# KiCad board memory.ROMRAM.kicad_pcb
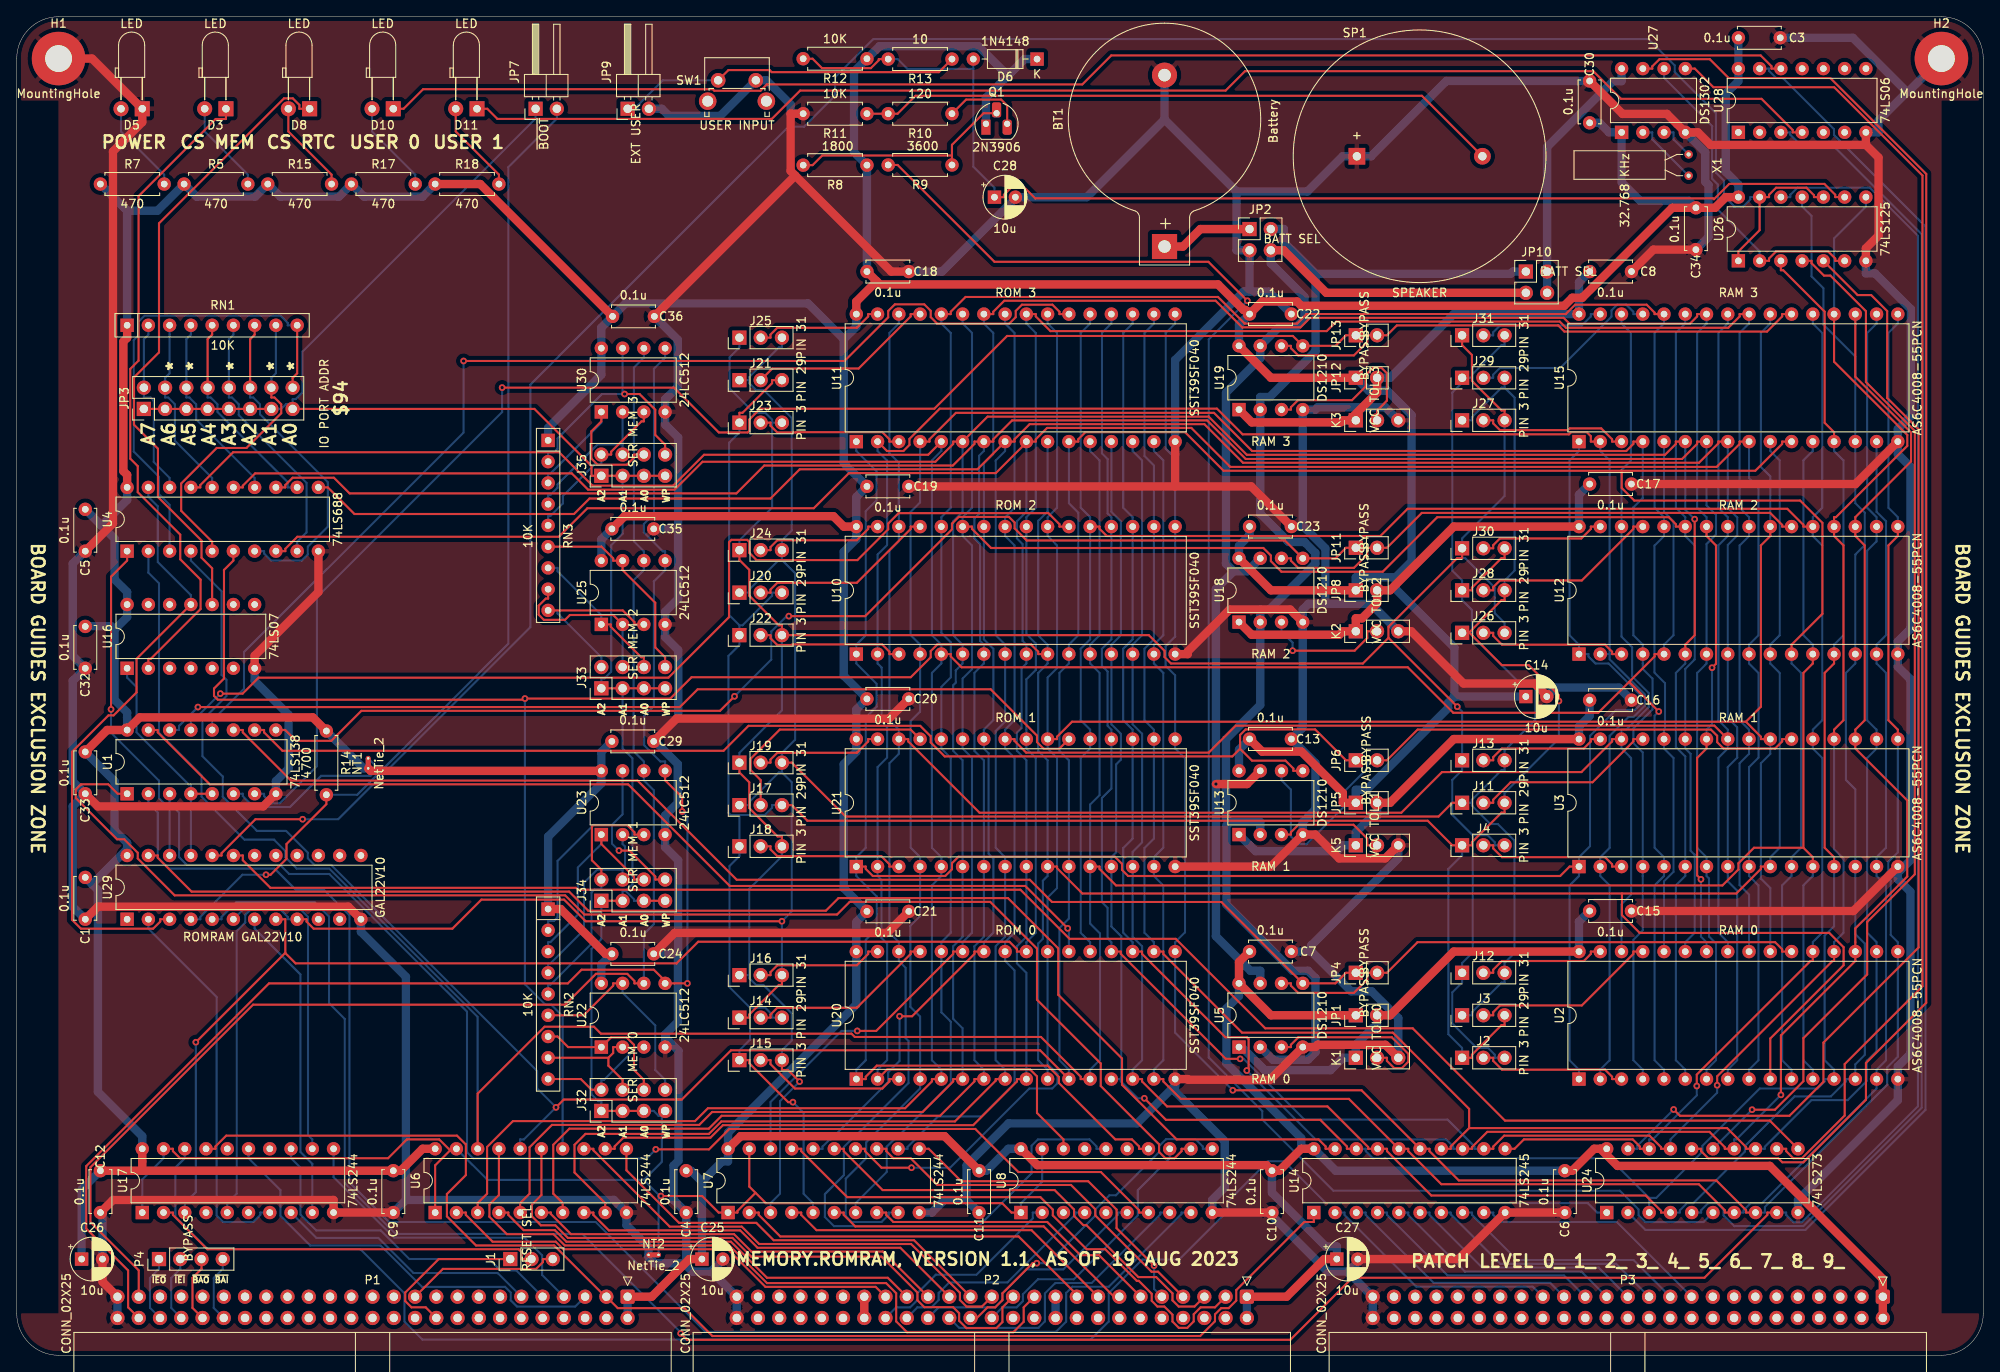
[diagram p0: board, top side]
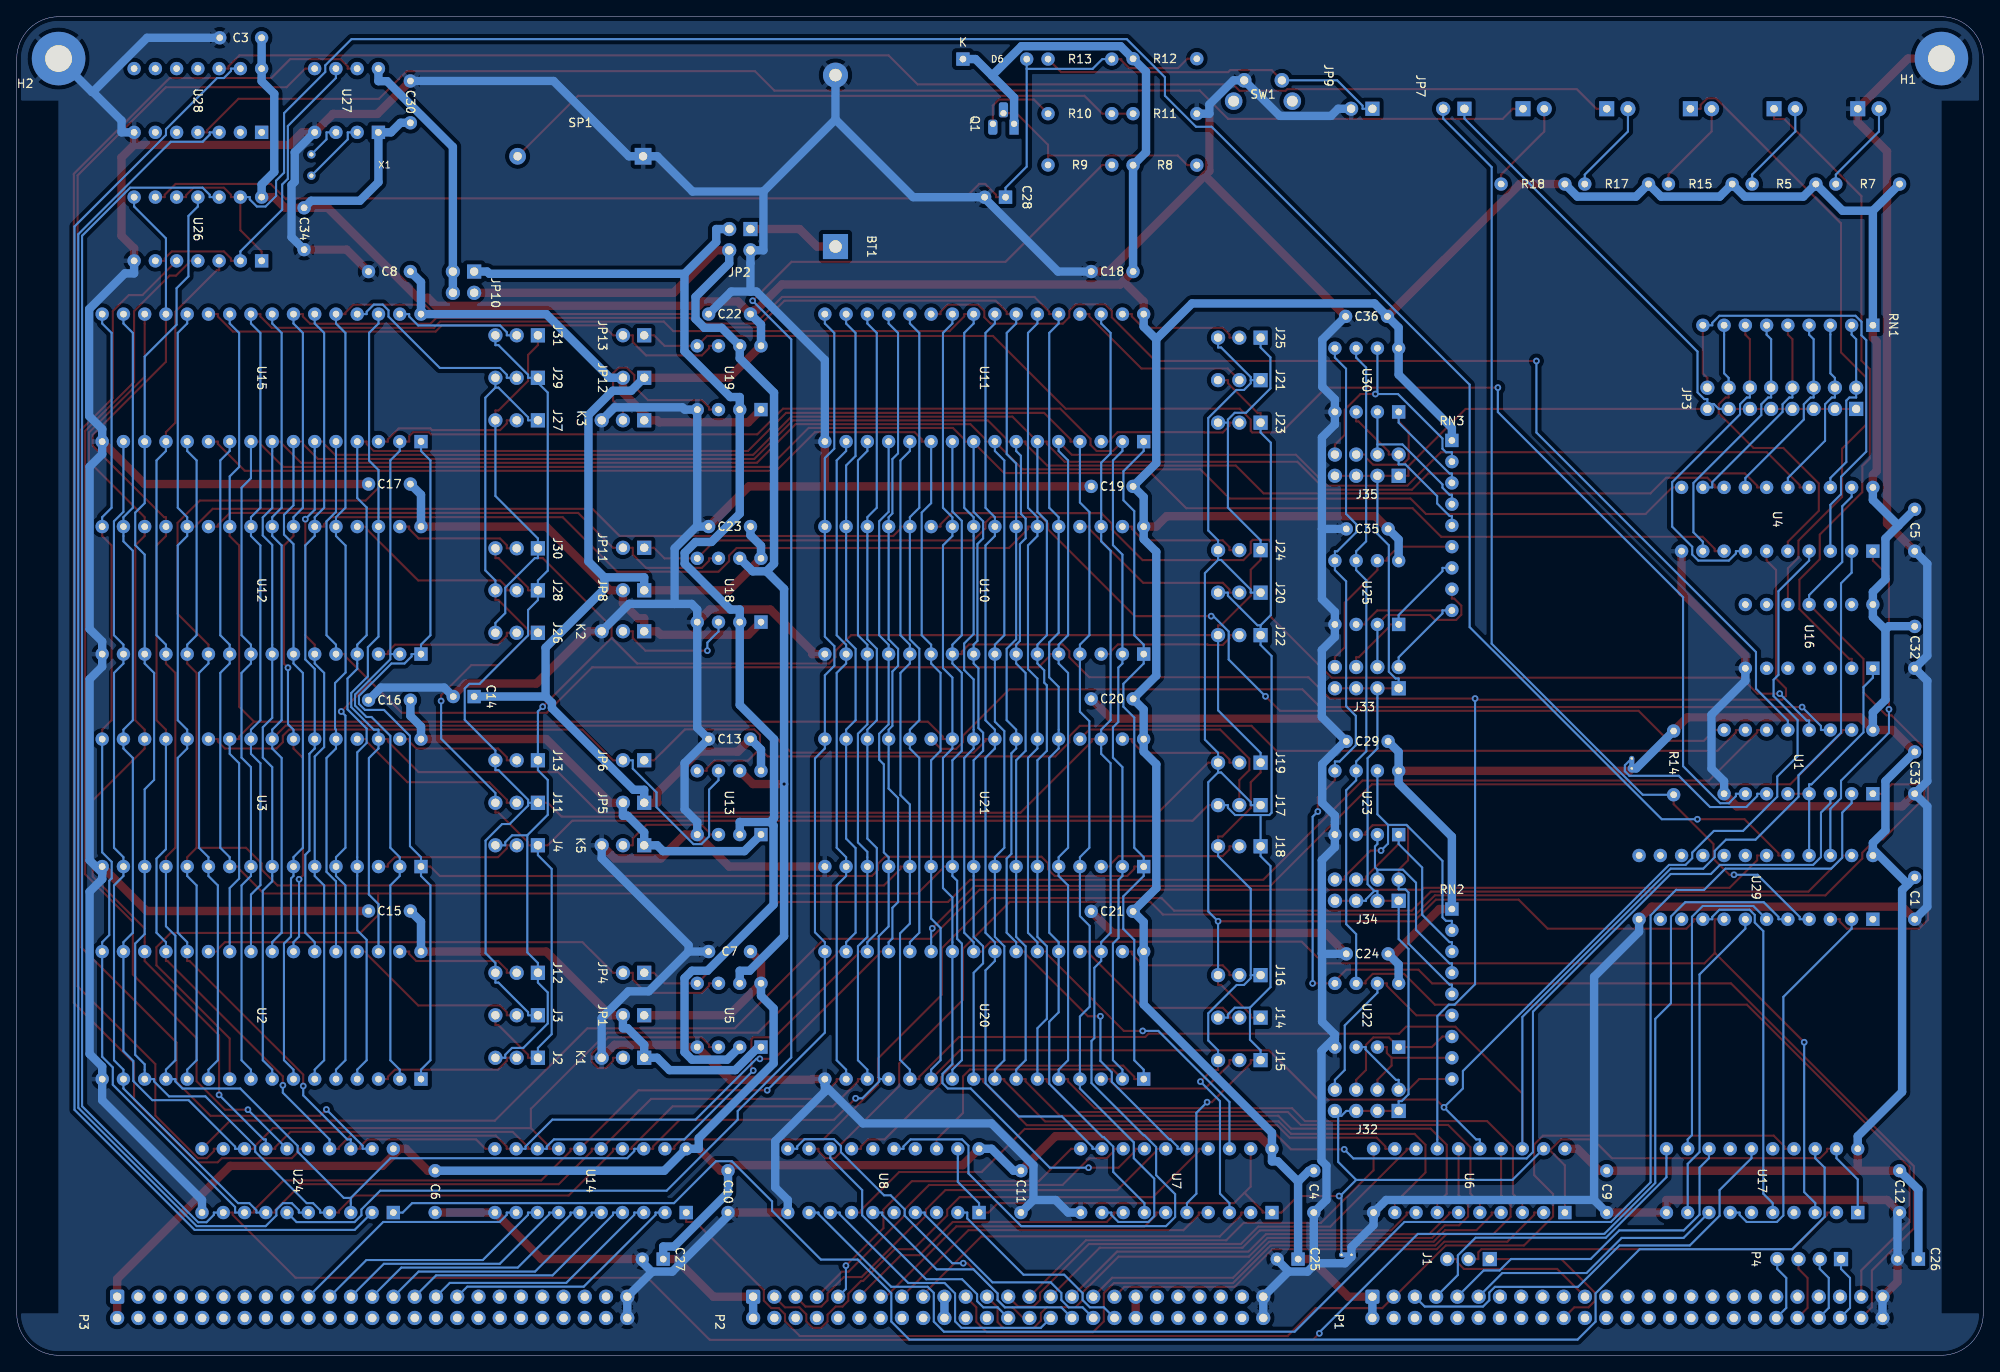
[diagram p1: board, bottom side, seen from below]

Outline 235 x 160 mm; copper layers: Top, Bottom. Coordinates in mm from the lower left corner of the outline.
Outline path: 0,155 0,5 arc(1.46,1.46) 5,0 230,0 arc(233.54,1.46) 235,5 235,155 arc(233.54,158.54) 230,160 5,160 arc(1.46,158.54) 0,155

## Placement (name value [footprint] x y rotation side)
BT1  Battery  [BatteryHolder_Keystone_103_1x20mm]  137.16 132.53 90 top
C1  0.1u  [C_Disc_D5.0mm_W2.5mm_P5.00mm]  8.19 57.12 270 top
C3  0.1u  [C_Disc_D5.0mm_W2.5mm_P5.00mm]  205.74 157.48 0 top
C4  0.1u  [C_Disc_D5.0mm_W2.5mm_P5.00mm]  80 22.06 270 top
C5  0.1u  [C_Disc_D5.0mm_W2.5mm_P5.00mm]  8.19 101.12 270 top
C6  0.1u  [C_Disc_D5.0mm_W2.5mm_P5.00mm]  185 22.06 270 top
C7  0.1u  [C_Disc_D5.0mm_W2.5mm_P5.00mm]  147.32 48.26 0 top
C8  0.1u  [C_Disc_D5.0mm_W2.5mm_P5.00mm]  187.96 129.54 0 top
C9  0.1u  [C_Disc_D5.0mm_W2.5mm_P5.00mm]  45 22.06 270 top
C10  0.1u  [C_Disc_D5.0mm_W2.5mm_P5.00mm]  150 22.06 270 top
C11  0.1u  [C_Disc_D5.0mm_W2.5mm_P5.00mm]  115 22.06 270 top
C12  0.1u  [C_Disc_D5.0mm_W2.5mm_P5.00mm]  10 22.06 270 top
C13  0.1u  [C_Disc_D5.0mm_W2.5mm_P5.00mm]  147.32 73.66 0 top
C14  10u  [CP_Radial_D5.0mm_P2.50mm]  180.34 78.74 0 top
C15  0.1u  [C_Disc_D5.0mm_W2.5mm_P5.00mm]  187.96 53.1 0 top
C16  0.1u  [C_Disc_D5.0mm_W2.5mm_P5.00mm]  187.96 78.31 0 top
C17  0.1u  [C_Disc_D5.0mm_W2.5mm_P5.00mm]  187.96 104.14 0 top
C18  0.1u  [C_Disc_D5.0mm_W2.5mm_P5.00mm]  101.6 129.54 0 top
C19  0.1u  [C_Disc_D5.0mm_W2.5mm_P5.00mm]  101.6 103.86 0 top
C20  0.1u  [C_Disc_D5.0mm_W2.5mm_P5.00mm]  101.6 78.46 0 top
C21  0.1u  [C_Disc_D5.0mm_W2.5mm_P5.00mm]  101.6 53.06 0 top
C22  0.1u  [C_Disc_D5.0mm_W2.5mm_P5.00mm]  147.32 124.46 0 top
C23  0.1u  [C_Disc_D5.0mm_W2.5mm_P5.00mm]  147.32 99.06 0 top
C24  0.1u  [C_Disc_D5.0mm_W2.5mm_P5.00mm]  71.12 47.98 0 top
C25  10u  [CP_Radial_D5.0mm_P2.50mm]  81.88 11.5 0 top
C26  10u  [CP_Radial_D5.0mm_P2.50mm]  7.75 11.5 0 top
C27  10u  [CP_Radial_D5.0mm_P2.50mm]  157.75 11.5 0 top
C28  10u  [CP_Radial_D5.0mm_P2.50mm]  116.84 138.43 0 top
C29  0.1u  [C_Disc_D5.0mm_W2.5mm_P5.00mm]  71.12 73.38 0 top
C30  0.1u  [C_Disc_D5.0mm_W2.5mm_P5.00mm]  187.96 147.32 90 top
C32  0.1u  [C_Disc_D5.0mm_W2.5mm_P5.00mm]  8.19 87.12 270 top
C33  0.1u  [C_Disc_D5.0mm_W2.5mm_P5.00mm]  8.19 72.12 270 top
C34  0.1u  [C_Disc_D5.0mm_W2.5mm_P5.00mm]  200.66 137.16 270 top
C35  0.1u  [C_Disc_D5.0mm_W2.5mm_P5.00mm]  71.12 98.78 0 top
C36  0.1u  [C_Disc_D5.0mm_W2.5mm_P5.00mm]  71.2 124.18 0 top
D3  LED  [LED_D3.0mm_Horizontal_O3.81mm_Z2.0mm]  25 149 180 top
D5  LED  [LED_D3.0mm_Horizontal_O3.81mm_Z2.0mm]  15 149 180 top
D6  1N4148  [D_DO-35_SOD27_P7.62mm_Horizontal]  121.93 154.94 180 top
D8  LED  [LED_D3.0mm_Horizontal_O3.81mm_Z2.0mm]  35 149 180 top
D10  LED  [LED_D3.0mm_Horizontal_O3.81mm_Z2.0mm]  45 149 180 top
D11  LED  [LED_D3.0mm_Horizontal_O3.81mm_Z2.0mm]  55 149 180 top
H1  MountingHole  [MountingHole_3.2mm_M3_Pad]  5 155 0 top
H2  MountingHole  [MountingHole_3.2mm_M3_Pad]  230 155 0 top
J1  RESET SEL  [PinHeader_1x03_P2.54mm_Vertical]  58.97 11.5 90 top
J2  PIN 3  [PinHeader_1x03_P2.54mm_Vertical]  172.72 35.56 90 top
J3  PIN 29  [PinHeader_1x03_P2.54mm_Vertical]  172.72 40.64 90 top
J4  PIN 3  [PinHeader_1x03_P2.54mm_Vertical]  172.72 60.96 90 top
J11  PIN 29  [PinHeader_1x03_P2.54mm_Vertical]  172.72 66.04 90 top
J12  PIN 31  [PinHeader_1x03_P2.54mm_Vertical]  172.72 45.72 90 top
J13  PIN 31  [PinHeader_1x03_P2.54mm_Vertical]  172.72 71.12 90 top
J14  PIN 29  [PinHeader_1x03_P2.54mm_Vertical]  86.36 40.36 90 top
J15  PIN 3  [PinHeader_1x03_P2.54mm_Vertical]  86.36 35.28 90 top
J16  PIN 31  [PinHeader_1x03_P2.54mm_Vertical]  86.36 45.44 90 top
J17  PIN 29  [PinHeader_1x03_P2.54mm_Vertical]  86.36 65.76 90 top
J18  PIN 3  [PinHeader_1x03_P2.54mm_Vertical]  86.36 60.84 90 top
J19  PIN 31  [PinHeader_1x03_P2.54mm_Vertical]  86.36 70.84 90 top
J20  PIN 29  [PinHeader_1x03_P2.54mm_Vertical]  86.36 91.16 90 top
J21  PIN 29  [PinHeader_1x03_P2.54mm_Vertical]  86.36 116.56 90 top
J22  PIN 3  [PinHeader_1x03_P2.54mm_Vertical]  86.36 86.08 90 top
J23  PIN 3  [PinHeader_1x03_P2.54mm_Vertical]  86.36 111.48 90 top
J24  PIN 31  [PinHeader_1x03_P2.54mm_Vertical]  86.36 96.24 90 top
J25  PIN 31  [PinHeader_1x03_P2.54mm_Vertical]  86.36 121.64 90 top
J26  PIN 3  [PinHeader_1x03_P2.54mm_Vertical]  172.72 86.36 90 top
J27  PIN 3  [PinHeader_1x03_P2.54mm_Vertical]  172.72 111.76 90 top
J28  PIN 29  [PinHeader_1x03_P2.54mm_Vertical]  172.72 91.44 90 top
J29  PIN 29  [PinHeader_1x03_P2.54mm_Vertical]  172.72 116.84 90 top
J30  PIN 31  [PinHeader_1x03_P2.54mm_Vertical]  172.72 96.46 90 top
J31  PIN 31  [PinHeader_1x03_P2.54mm_Vertical]  172.72 121.92 90 top
J32  SER MEM 0  [PinHeader_2x04_P2.54mm_Vertical]  69.86 29.21 90 top
J33  SER MEM 2  [PinHeader_2x04_P2.54mm_Vertical]  69.86 79.72 90 top
J34  SER MEM 1  [PinHeader_2x04_P2.54mm_Vertical]  69.86 54.32 90 top
J35  SER MEM 3  [PinHeader_2x04_P2.54mm_Vertical]  69.86 105.12 90 top
JP1  BYPASS  [PinHeader_1x02_P2.54mm_Vertical]  160.02 40.64 90 top
JP2  BATT SEL  [PinHeader_2x02_P2.54mm_Vertical]  147.32 134.62 0 top
JP3  IO PORT ADDR  [PinHeader_2x08_P2.54mm_Vertical]  15.19 113.12 90 top
JP4  BYPASS  [PinHeader_1x02_P2.54mm_Vertical]  160.02 45.72 90 top
JP5  BYPASS  [PinHeader_1x02_P2.54mm_Vertical]  160.02 66.04 90 top
JP6  BYPASS  [PinHeader_1x02_P2.54mm_Vertical]  160.02 71.12 90 top
JP7  ~{BOOT}  [PinHeader_1x02_P2.54mm_Horizontal]  62 149 90 top
JP8  BYPASS  [PinHeader_1x02_P2.54mm_Vertical]  160.02 91.44 90 top
JP9  EXT USER  [PinHeader_1x02_P2.54mm_Horizontal]  73 149 90 top
JP10  BATT SEL  [PinHeader_2x02_P2.54mm_Vertical]  180.34 129.54 0 top
JP11  BYPASS  [PinHeader_1x02_P2.54mm_Vertical]  160.02 96.52 90 top
JP12  BYPASS  [PinHeader_1x02_P2.54mm_Vertical]  160.02 116.84 90 top
JP13  BYPASS  [PinHeader_1x02_P2.54mm_Vertical]  160.02 121.92 90 top
K1  VCC TOL 0  [PinHeader_1x03_P2.54mm_Vertical]  160.02 35.56 90 top
K2  VCC TOL 2  [PinHeader_1x03_P2.54mm_Vertical]  160.02 86.54 90 top
K3  VCC TOL 3  [PinHeader_1x03_P2.54mm_Vertical]  160.02 111.76 90 top
K5  VCC TOL 1  [PinHeader_1x03_P2.54mm_Vertical]  160.02 60.96 90 top
NT1  NetTie_2  [NetTie-2_THT_Pad0.3mm]  42 70.15 90 top
NT2  NetTie_2  [NetTie-2_THT_Pad0.3mm]  75.5 12 0 top
P1  CONN_02X25  [IDC-Header_2x25_P2.54mm_Horizontal]  73 7 270 top
P2  CONN_02X25  [IDC-Header_2x25_P2.54mm_Horizontal]  147 7 270 top
P3  CONN_02X25  [IDC-Header_2x25_P2.54mm_Horizontal]  223 7 270 top
P4  BYPASS  [PinHeader_1x04_P2.54mm_Vertical]  17 11.5 90 top
Q1  2N3906  [TO-92_HandSolder]  115.82 147.2 0 top
R5  470  [R_Axial_DIN0207_L6.3mm_D2.5mm_P7.62mm_Horizontal]  20 140 0 top
R7  470  [R_Axial_DIN0207_L6.3mm_D2.5mm_P7.62mm_Horizontal]  10 140 0 top
R8  1800  [R_Axial_DIN0207_L6.3mm_D2.5mm_P7.62mm_Horizontal]  101.6 142.26 180 top
R9  3600  [R_Axial_DIN0207_L6.3mm_D2.5mm_P7.62mm_Horizontal]  111.76 142.28 180 top
R10  120  [R_Axial_DIN0207_L6.3mm_D2.5mm_P7.62mm_Horizontal]  111.76 148.41 180 top
R11  10K  [R_Axial_DIN0207_L6.3mm_D2.5mm_P7.62mm_Horizontal]  101.6 148.41 180 top
R12  10K  [R_Axial_DIN0207_L6.3mm_D2.5mm_P7.62mm_Horizontal]  101.6 154.98 180 top
R13  10  [R_Axial_DIN0207_L6.3mm_D2.5mm_P7.62mm_Horizontal]  111.76 154.94 180 top
R14  4700  [R_Axial_DIN0207_L6.3mm_D2.5mm_P7.62mm_Horizontal]  37 74.62 270 top
R15  470  [R_Axial_DIN0207_L6.3mm_D2.5mm_P7.62mm_Horizontal]  30 140 0 top
R17  470  [R_Axial_DIN0207_L6.3mm_D2.5mm_P7.62mm_Horizontal]  40 140 0 top
R18  470  [R_Axial_DIN0207_L6.3mm_D2.5mm_P7.62mm_Horizontal]  50 140 0 top
RN1  10K  [R_Array_SIP9]  13.19 123.12 0 top
RN2  10K  [R_Array_SIP9]  63.5 53.34 270 top
RN3  10K  [R_Array_SIP9]  63.5 109.36 270 top
SP1  SPEAKER  [Jameco PCB Speaker 30mm 135722]  163.84 143.32 0 top
SW1  USER INPUT  [SW_Tactile_SPST_Angled_PTS645Vx58-2LFS]  83.82 152.4 0 top
U1  74LS138  [DIP-16_W7.62mm]  13.19 67.12 90 top
U2  AS6C4008-55PCN  [DIP-32_W15.24mm]  186.69 33.01 90 top
U3  AS6C4008-55PCN  [DIP-32_W15.24mm]  186.69 58.41 90 top
U4  74LS688  [DIP-20_W7.62mm]  13.19 96.12 90 top
U5  DS1210  [DIP-8_W7.62mm]  146.06 36.84 90 top
U6  74LS244  [DIP-20_W7.62mm]  50 17.06 90 top
U7  74LS244  [DIP-20_W7.62mm]  85 17.06 90 top
U8  74LS244  [DIP-20_W7.62mm]  120 17.06 90 top
U10  SST39SF040  [DIP-32_W15.24mm]  100.33 83.81 90 top
U11  SST39SF040  [DIP-32_W15.24mm]  100.33 109.22 90 top
U12  AS6C4008-55PCN  [DIP-32_W15.24mm]  186.69 83.81 90 top
U13  DS1210  [DIP-8_W7.62mm]  146.06 62.24 90 top
U14  74LS245  [DIP-20_W7.62mm]  155 17.06 90 top
U15  AS6C4008-55PCN  [DIP-32_W15.24mm]  186.69 109.22 90 top
U16  74LS07  [DIP-14_W7.62mm]  13.19 82.12 90 top
U17  74LS244  [DIP-20_W7.62mm]  15 17.06 90 top
U18  DS1210  [DIP-8_W7.62mm]  146.06 87.64 90 top
U19  DS1210  [DIP-8_W7.62mm]  146.06 113.04 90 top
U20  SST39SF040  [DIP-32_W15.24mm]  100.33 33.01 90 top
U21  SST39SF040  [DIP-32_W15.24mm]  100.33 58.41 90 top
U22  24LC512  [DIP-8_W7.62mm]  69.86 36.84 90 top
U23  24LC512  [DIP-8_W7.62mm]  69.86 62.24 90 top
U24  74LS273  [DIP-20_W7.62mm]  190 17.06 90 top
U25  24LC512  [DIP-8_W7.62mm]  69.86 87.36 90 top
U26  74LS125  [DIP-14_W7.62mm]  205.74 130.82 90 top
U27  DS1302  [DIP-8_W7.62mm]  191.78 146.18 90 top
U28  74LS06  [DIP-14_W7.62mm]  205.74 146.18 90 top
U29  GAL22V10  [DIP-24_W7.62mm]  13.19 52.12 90 top
U30  24LC512  [DIP-8_W7.62mm]  69.86 112.76 90 top
X1  32.768 KHz  [Crystal_AT310_D3.0mm_L10.0mm_Horizontal]  199.79 143.54 270 top

## Footprints (pads in the part's own frame, mm; a bottom-side part is the same pattern mirrored in y, then rotated)
BatteryHolder_Keystone_103_1x20mm
  rect 3x3 hole 1.5: 1(0,0)
  round 3 hole 1.5: 2(20.49,0)
C_Disc_D5.0mm_W2.5mm_P5.00mm
  round 1.6 hole 0.8: 1(0,0) 2(5,0)
CP_Radial_D5.0mm_P2.50mm
  rect 1.6x1.6 hole 0.8: 1(0,0)
  round 1.6 hole 0.8: 2(2.5,0)
Crystal_AT310_D3.0mm_L10.0mm_Horizontal
  round 1 hole 0.5: 1(0,0) 2(2.54,0)
D_DO-35_SOD27_P7.62mm_Horizontal
  rect 1.6x1.6 hole 0.8: 1(0,0)
  oval 1.6x1.6 hole 0.8: 2(7.62,0)
DIP-8_W7.62mm
  rect 1.6x1.6 hole 0.8: 1(0,0)
  oval 1.6x1.6 hole 0.8: 2(0,-2.54) 3(0,-5.08) 4(0,-7.62) 5(7.62,-7.62) 6(7.62,-5.08) 7(7.62,-2.54) 8(7.62,0)
DIP-14_W7.62mm
  rect 1.6x1.6 hole 0.8: 1(0,0)
  oval 1.6x1.6 hole 0.8: 2(0,-2.54) 3(0,-5.08) 4(0,-7.62) 5(0,-10.16) 6(0,-12.7) 7(0,-15.24) 8(7.62,-15.24) 9(7.62,-12.7) 10(7.62,-10.16) 11(7.62,-7.62) 12(7.62,-5.08) 13(7.62,-2.54) 14(7.62,0)
DIP-16_W7.62mm
  rect 1.6x1.6 hole 0.8: 1(0,0)
  oval 1.6x1.6 hole 0.8: 2(0,-2.54) 3(0,-5.08) 4(0,-7.62) 5(0,-10.16) 6(0,-12.7) 7(0,-15.24) 8(0,-17.78) 9(7.62,-17.78) 10(7.62,-15.24) 11(7.62,-12.7) 12(7.62,-10.16) 13(7.62,-7.62) 14(7.62,-5.08) 15(7.62,-2.54) 16(7.62,0)
DIP-20_W7.62mm
  rect 1.6x1.6 hole 0.8: 1(0,0)
  oval 1.6x1.6 hole 0.8: 2(0,-2.54) 3(0,-5.08) 4(0,-7.62) 5(0,-10.16) 6(0,-12.7) 7(0,-15.24) 8(0,-17.78) 9(0,-20.32) 10(0,-22.86) 11(7.62,-22.86) 12(7.62,-20.32) 13(7.62,-17.78) 14(7.62,-15.24) 15(7.62,-12.7) 16(7.62,-10.16) 17(7.62,-7.62) 18(7.62,-5.08) 19(7.62,-2.54) 20(7.62,0)
DIP-24_W7.62mm
  rect 1.6x1.6 hole 0.8: 1(0,0)
  oval 1.6x1.6 hole 0.8: 2(0,-2.54) 3(0,-5.08) 4(0,-7.62) 5(0,-10.16) 6(0,-12.7) 7(0,-15.24) 8(0,-17.78) 9(0,-20.32) 10(0,-22.86) 11(0,-25.4) 12(0,-27.94) 13(7.62,-27.94) 14(7.62,-25.4) 15(7.62,-22.86) 16(7.62,-20.32) 17(7.62,-17.78) 18(7.62,-15.24) 19(7.62,-12.7) 20(7.62,-10.16) 21(7.62,-7.62) 22(7.62,-5.08) 23(7.62,-2.54) 24(7.62,0)
DIP-32_W15.24mm
  rect 1.6x1.6 hole 0.8: 1(0,0)
  oval 1.6x1.6 hole 0.8: 2(0,-2.54) 3(0,-5.08) 4(0,-7.62) 5(0,-10.16) 6(0,-12.7) 7(0,-15.24) 8(0,-17.78) 9(0,-20.32) 10(0,-22.86) 11(0,-25.4) 12(0,-27.94) 13(0,-30.48) 14(0,-33.02) 15(0,-35.56) 16(0,-38.1) 17(15.24,-38.1) 18(15.24,-35.56) 19(15.24,-33.02) 20(15.24,-30.48) 21(15.24,-27.94) 22(15.24,-25.4) 23(15.24,-22.86) 24(15.24,-20.32) 25(15.24,-17.78) 26(15.24,-15.24) 27(15.24,-12.7) 28(15.24,-10.16) 29(15.24,-7.62) 30(15.24,-5.08) 31(15.24,-2.54) 32(15.24,0)
IDC-Header_2x25_P2.54mm_Horizontal
  rrect 1.7x1.7 hole 1: 1(0,0)
  round 1.7 hole 1: 2(2.54,0) 3(0,-2.54) 4(2.54,-2.54) 5(0,-5.08) 6(2.54,-5.08) 7(0,-7.62) 8(2.54,-7.62) 9(0,-10.16) 10(2.54,-10.16) 11(0,-12.7) 12(2.54,-12.7) 13(0,-15.24) 14(2.54,-15.24) 15(0,-17.78) 16(2.54,-17.78) 17(0,-20.32) 18(2.54,-20.32) 19(0,-22.86) 20(2.54,-22.86) 21(0,-25.4) 22(2.54,-25.4) 23(0,-27.94) 24(2.54,-27.94) 25(0,-30.48) 26(2.54,-30.48) 27(0,-33.02) 28(2.54,-33.02) 29(0,-35.56) 30(2.54,-35.56) 31(0,-38.1) 32(2.54,-38.1) 33(0,-40.64) 34(2.54,-40.64) 35(0,-43.18) 36(2.54,-43.18) 37(0,-45.72) 38(2.54,-45.72) 39(0,-48.26) 40(2.54,-48.26) 41(0,-50.8) 42(2.54,-50.8) 43(0,-53.34) 44(2.54,-53.34) 45(0,-55.88) 46(2.54,-55.88) 47(0,-58.42) 48(2.54,-58.42) 49(0,-60.96) 50(2.54,-60.96)
Jameco PCB Speaker 30mm 135722
  rect 2x2 hole 1: 1(-3.69,0)
  round 2 hole 1: 2(11.31,0)
LED_D3.0mm_Horizontal_O3.81mm_Z2.0mm
  rect 1.8x1.8 hole 0.9: 1(0,0)
  round 1.8 hole 0.9: 2(2.54,0)
MountingHole_3.2mm_M3_Pad
  round 6.4 hole 3.2: 1(0,0)
NetTie-2_THT_Pad0.3mm
  round 0.6 hole 0.3: 1(0,0) 2(1.2,0)
PinHeader_1x02_P2.54mm_Horizontal
  rect 1.7x1.7 hole 1: 1(0,0)
  oval 1.7x1.7 hole 1: 2(0,-2.54)
PinHeader_1x02_P2.54mm_Vertical
  rect 1.7x1.7 hole 1: 1(0,0)
  oval 1.7x1.7 hole 1: 2(0,-2.54)
PinHeader_1x03_P2.54mm_Vertical
  rect 1.7x1.7 hole 1: 1(0,0)
  oval 1.7x1.7 hole 1: 2(0,-2.54) 3(0,-5.08)
PinHeader_1x04_P2.54mm_Vertical
  rect 1.7x1.7 hole 1: 1(0,0)
  oval 1.7x1.7 hole 1: 2(0,-2.54) 3(0,-5.08) 4(0,-7.62)
PinHeader_2x02_P2.54mm_Vertical
  rect 1.7x1.7 hole 1: 1(0,0)
  oval 1.7x1.7 hole 1: 2(2.54,0) 3(0,-2.54) 4(2.54,-2.54)
PinHeader_2x04_P2.54mm_Vertical
  rect 1.7x1.7 hole 1: 1(0,0)
  oval 1.7x1.7 hole 1: 2(2.54,0) 3(0,-2.54) 4(2.54,-2.54) 5(0,-5.08) 6(2.54,-5.08) 7(0,-7.62) 8(2.54,-7.62)
PinHeader_2x08_P2.54mm_Vertical
  rect 1.7x1.7 hole 1: 1(0,0)
  oval 1.7x1.7 hole 1: 2(2.54,0) 3(0,-2.54) 4(2.54,-2.54) 5(0,-5.08) 6(2.54,-5.08) 7(0,-7.62) 8(2.54,-7.62) 9(0,-10.16) 10(2.54,-10.16) 11(0,-12.7) 12(2.54,-12.7) 13(0,-15.24) 14(2.54,-15.24) 15(0,-17.78) 16(2.54,-17.78)
R_Array_SIP9
  rect 1.6x1.6 hole 0.8: 1(0,0)
  oval 1.6x1.6 hole 0.8: 2(2.54,0) 3(5.08,0) 4(7.62,0) 5(10.16,0) 6(12.7,0) 7(15.24,0) 8(17.78,0) 9(20.32,0)
R_Axial_DIN0207_L6.3mm_D2.5mm_P7.62mm_Horizontal
  round 1.6 hole 0.8: 1(0,0)
  oval 1.6x1.6 hole 0.8: 2(7.62,0)
SW_Tactile_SPST_Angled_PTS645Vx58-2LFS
  round 2.1 hole 1.3: (-1.25,-2.49) (5.76,-2.49)
  round 1.75 hole 0.99: 1(0,0) 2(4.5,0)
TO-92_HandSolder
  rect 1.1x1.8 hole 0.75: 1(0,0)
  rrect 1.1x1.8 hole 0.75: 2(1.27,1.27) 3(2.54,0)

## Nets
+12V: P2.19 P2.20
-12V: P2.37 P2.38
/battery/V2032: BT1.1 JP2.1
/RTC/VBAT: JP10.2 JP10.4 U27.8
GND: BT1.2 C1.2 C3.2 C4.2 C5.2 C6.2 C7.2 C8.2 C9.2 C10.2 C11.2 C12.2 C13.2 C14.2 C15.2 C16.2 C17.2 C18.2 C19.2 C20.2 C21.2 C22.2 C23.2 C24.2 C25.2 C26.2 C27.2 C28.2 C29.2 C30.2 C32.2 C33.2 C34.2 C35.2 C36.2 D5.1 H1.1 H2.1 JP2.3 JP9.2 K1.3 K2.3 K3.3 K5.3 NT2.1 P1.49 P1.50 P2.49 P2.50 P3.49 P3.50 R11.2 SP1.1 SW1.2 U1.8 U2.16 U3.16 U4.10 U5.4 U6.10 U7.10 U8.10 U10.16 U11.16 U12.16 U13.4 U14.10 U15.16 U16.7 U17.10 U18.4 U19.4 U20.16 U21.16 U22.4 U23.4 U24.10 U25.4 U26.7 U27.4 U28.7 U29.12 U30.4
VBAT1: JP2.2 JP10.1 U5.2 U13.2 U18.2 U19.2
VBAT2: JP2.4 JP10.3 U5.7 U13.7 U18.7 U19.7
VCC: C1.1 C3.1 C4.1 C5.1 C6.1 C7.1 C9.1 C10.1 C11.1 C12.1 C13.1 C14.1 C18.1 C19.1 C20.1 C21.1 C22.1 C23.1 C24.1 C25.1 C26.1 C27.1 C29.1 C30.1 C32.1 C33.1 C34.1 C35.1 C36.1 D6.1 JP1.1 JP5.1 JP8.1 JP12.1 NT1.1 P1.1 P1.2 P2.1 P2.2 P3.1 P3.2 Q1.1 R5.1 R7.1 R8.1 R12.1 R14.1 R15.1 R17.1 R18.1 RN1.1 RN2.1 RN3.1 U1.16 U4.20 U5.8 U6.20 U7.20 U8.20 U10.32 U11.32 U13.8 U14.20 U16.14 U17.20 U18.8 U19.8 U20.32 U21.32 U22.8 U23.8 U24.20 U25.8 U26.14 U27.1 U28.14 U29.24 U30.8
VCC_SRAM0: C15.1 JP1.2 K1.1 U2.32 U5.1
VCC_SRAM1: C16.1 JP5.2 K5.1 U3.32 U13.1
VCC_SRAM2: C17.1 JP8.2 K2.1 U12.32 U18.1
VCC_SRAM3: C8.1 JP12.2 K3.1 U15.32 U19.1
/bus/A22: P2.24
/bus/A23: P2.22
/bus/A24: P2.18
/bus/A25: P2.16
/bus/A26: P2.14
/bus/A27: P2.12
/bus/A28: P2.10
/bus/A29: P2.8
/bus/A30: P2.6
/bus/A31: P2.4
/bus/AUXCLK0: P2.48
/bus/AUXCLK1: P2.47
/bus/AUXCLK2: P3.48
/bus/AUXCLK3: P3.46
/bus/CLK: P1.15
/bus/CRUCLK: P1.14
/bus/CRUIN: P1.18
/bus/CRUOUT: P1.16
/bus/D8: P3.17
/bus/D9: P3.15
/bus/D10: P3.13
/bus/D11: P3.11
/bus/D12: P3.9
/bus/D13: P3.7
/bus/D14: P3.5
/bus/D15: P3.3
/bus/D16: P3.34
/bus/D17: P3.32
/bus/D18: P3.30
/bus/D19: P3.28
/bus/D20: P3.26
/bus/D21: P3.24
/bus/D22: P3.22
/bus/D23: P3.20
/bus/D24: P3.18
/bus/D25: P3.16
/bus/D26: P3.14
/bus/D27: P3.12
/bus/D28: P3.10
/bus/D29: P3.8
/bus/D30: P3.6
/bus/D31: P3.4
/bus/E: P1.4
/bus/IC0: P2.45
/bus/IC1: P2.43
/bus/IC2: P2.41
/bus/IC3: P2.39
/bus/IPL0: P3.47
/bus/IPL1: P3.45
/bus/IPL2: P3.43
/bus/LDS: P3.38
/bus/PHI: P1.8
/bus/S0: P3.44
/bus/S1: P3.42
/bus/S2: P3.40
/bus/ST: P1.6
/bus/UDS: P3.36
/bus/USER0: P1.38
/bus/USER1: P1.36
/bus/USER2: P1.34
/bus/USER3: P1.32
/bus/USER4: P1.30
/bus/USER5: P1.28
/bus/USER6: P1.26
/bus/USER7: P1.24
/bus/USER8: P1.22
/bus/~{BHE}: P3.41
/bus/~{BUSACK}: P1.13
/bus/~{BUSERR}: P3.35
/bus/~{BUSRQ}: P1.23
/bus/~{DREQ0}: P2.46
/bus/~{DREQ1}: P2.42
/bus/~{EIRQ0}: P1.45
/bus/~{EIRQ1}: P1.43
/bus/~{EIRQ2}: P1.41
/bus/~{EIRQ3}: P1.39
/bus/~{EIRQ4}: P1.37
/bus/~{EIRQ5}: P1.35
/bus/~{EIRQ6}: P1.33
/bus/~{EIRQ7}: P1.31
/bus/~{HALT}: P1.27
/bus/~{INT0}: P1.17
/bus/~{INT1}: P1.12
/bus/~{INT2}: P1.10
/bus/~{NMI}: P1.19
/bus/~{RFSH}: P1.29
/bus/~{TEND0}: P2.44
/bus/~{TEND1}: P2.40
/bus/~{VMA}: P3.39
/bus/~{VPA}: P3.37
/bus/~{WAIT}: P1.25
/RTC/RTC_CLK_IN: U24.16 U27.7
/RTC/RTC_DAT_IN: U24.19 U26.5
/RTC/RTC_DQ: U26.2 U26.6 U27.6
/RTC/RTC_RST_IN: U24.12 U27.5
/RTC/RTC_WR_EN: U24.15 U26.4
/RTC/SPEAKER: R9.2 U24.6
/RTC/USERBUTN: C28.1 D6.2 R12.2 R13.2 U26.9
/RTC/USERLED0: U24.2 U28.13
/RTC/USERLED1: U24.5 U28.3
A0: P2.35 U6.2
A1: P2.33 U6.4
A2: P2.31 U6.6
A3: P2.29 U6.8
A4: P2.27 U6.11
A5: P2.25 U6.13
A6: P2.23 U6.15
A7: P2.21 U6.17
A8: P2.17 U7.2
A9: P2.15 U7.4
A10: P2.13 U7.6
A11: P2.11 U7.8
A12: P2.9 U7.11
A13: P2.7 U7.13
A14: P2.5 U7.15
A15: P2.3 U7.17
A16: P2.36 U8.2
A17: P2.34 U8.4
A18: P2.32 U8.6
A19: P2.30 U8.8
A20: P2.28 U8.11
A21: P2.26 U8.13
bA0: U2.12 U3.12 U4.2 U6.18 U10.12 U11.12 U12.12 U15.12 U20.12 U21.12
bA1: U2.11 U3.11 U4.4 U6.16 U10.11 U11.11 U12.11 U15.11 U20.11 U21.11
bA2: U2.10 U3.10 U4.6 U6.14 U10.10 U11.10 U12.10 U15.10 U20.10 U21.10
bA3: U2.9 U3.9 U4.8 U6.12 U10.9 U11.9 U12.9 U15.9 U20.9 U21.9
bA4: U2.8 U3.8 U4.11 U6.9 U10.8 U11.8 U12.8 U15.8 U20.8 U21.8
bA5: U2.7 U3.7 U4.13 U6.7 U10.7 U11.7 U12.7 U15.7 U20.7 U21.7
bA6: U2.6 U3.6 U4.15 U6.5 U10.6 U11.6 U12.6 U15.6 U20.6 U21.6
bA7: U2.5 U3.5 U4.17 U6.3 U10.5 U11.5 U12.5 U15.5 U20.5 U21.5
bA8: U2.27 U3.27 U7.18 U10.27 U11.27 U12.27 U15.27 U20.27 U21.27
bA9: U2.26 U3.26 U7.16 U10.26 U11.26 U12.26 U15.26 U20.26 U21.26
bA10: U2.23 U3.23 U7.14 U10.23 U11.23 U12.23 U15.23 U20.23 U21.23
bA11: U2.25 U3.25 U7.12 U10.25 U11.25 U12.25 U15.25 U20.25 U21.25
bA12: U2.4 U3.4 U7.9 U10.4 U11.4 U12.4 U15.4 U20.4 U21.4
bA13: U2.28 U3.28 U7.7 U10.28 U11.28 U12.28 U15.28 U20.28 U21.28
bA14: J2.1 J3.3 J4.1 J11.3 J14.3 J15.1 J17.3 J18.1 J20.3 J21.3 J22.1 J23.1 J26.1 J27.1 J28.3 J29.3 U7.5
bA15: J2.3 J4.3 J12.1 J13.1 J15.3 J16.1 J18.3 J19.1 J22.3 J23.3 J24.1 J25.1 J26.3 J27.3 J30.1 J31.1 U7.3
bA16: U2.2 U3.2 U8.18 U10.2 U11.2 U12.2 U15.2 U20.2 U21.2
bA17: U2.30 U3.30 U8.16 U10.30 U11.30 U12.30 U15.30 U20.30 U21.30
bA18: U2.1 U3.1 U8.14 U10.1 U11.1 U12.1 U15.1 U20.1 U21.1
bA19: U1.1 U8.12
bA20: U1.2 U8.9
bA21: U1.3 U8.7
bD0: U2.13 U3.13 U10.13 U11.13 U12.13 U14.18 U15.13 U20.13 U21.13 U24.3 U26.3
bD1: U2.14 U3.14 U10.14 U11.14 U12.14 U14.17 U15.14 U20.14 U21.14 U24.4 U26.11
bD2: U2.15 U3.15 U10.15 U11.15 U12.15 U14.16 U15.15 U20.15 U21.15 U24.7
bD3: U2.17 U3.17 U10.17 U11.17 U12.17 U14.15 U15.17 U20.17 U21.17 U24.8
bD4: U2.18 U3.18 U10.18 U11.18 U12.18 U14.14 U15.18 U20.18 U21.18 U24.13
bD5: U2.19 U3.19 U10.19 U11.19 U12.19 U14.13 U15.19 U20.19 U21.19 U24.14
bD6: U2.20 U3.20 U10.20 U11.20 U12.20 U14.12 U15.20 U20.20 U21.20 U24.17 U26.8
bD7: U2.21 U3.21 U10.21 U11.21 U12.21 U14.11 U15.21 U20.21 U21.21 U24.18
D0: P3.33 U14.2
D1: P3.31 U14.3
D2: P3.29 U14.4
D3: P3.27 U14.5
D4: P3.25 U14.6
D5: P3.23 U14.7
D6: P3.21 U14.8
D7: P3.19 U14.9
I2C_SCL: P1.47 U22.6 U23.6 U25.6 U30.6
I2C_SDA: P1.48 U22.5 U23.5 U25.5 U30.5
ONE: NT1.2 U1.6
ZERO: J32.1 J32.3 J32.5 J32.7 J33.1 J33.3 J33.5 J33.7 J34.1 J34.3 J34.5 J34.7 J35.1 J35.3 J35.5 J35.7 JP3.1 JP3.3 JP3.5 JP3.7 JP3.9 JP3.11 JP3.13 JP3.15 JP7.1 NT2.2 U6.1 U6.19 U7.1 U7.19 U8.1 U8.19 U17.1 U17.19
~{BAI}: P1.40 P4.4
~{BAO}: P1.42 P4.3
~{bIORQ}: U17.9 U29.7
~{bM1}: U17.12 U29.6
~{bMREQ}: U17.7 U29.2